# Altium PCB RGV_Control_1V21_unpoly.PcbDoc (part 1 of 5) (continued)
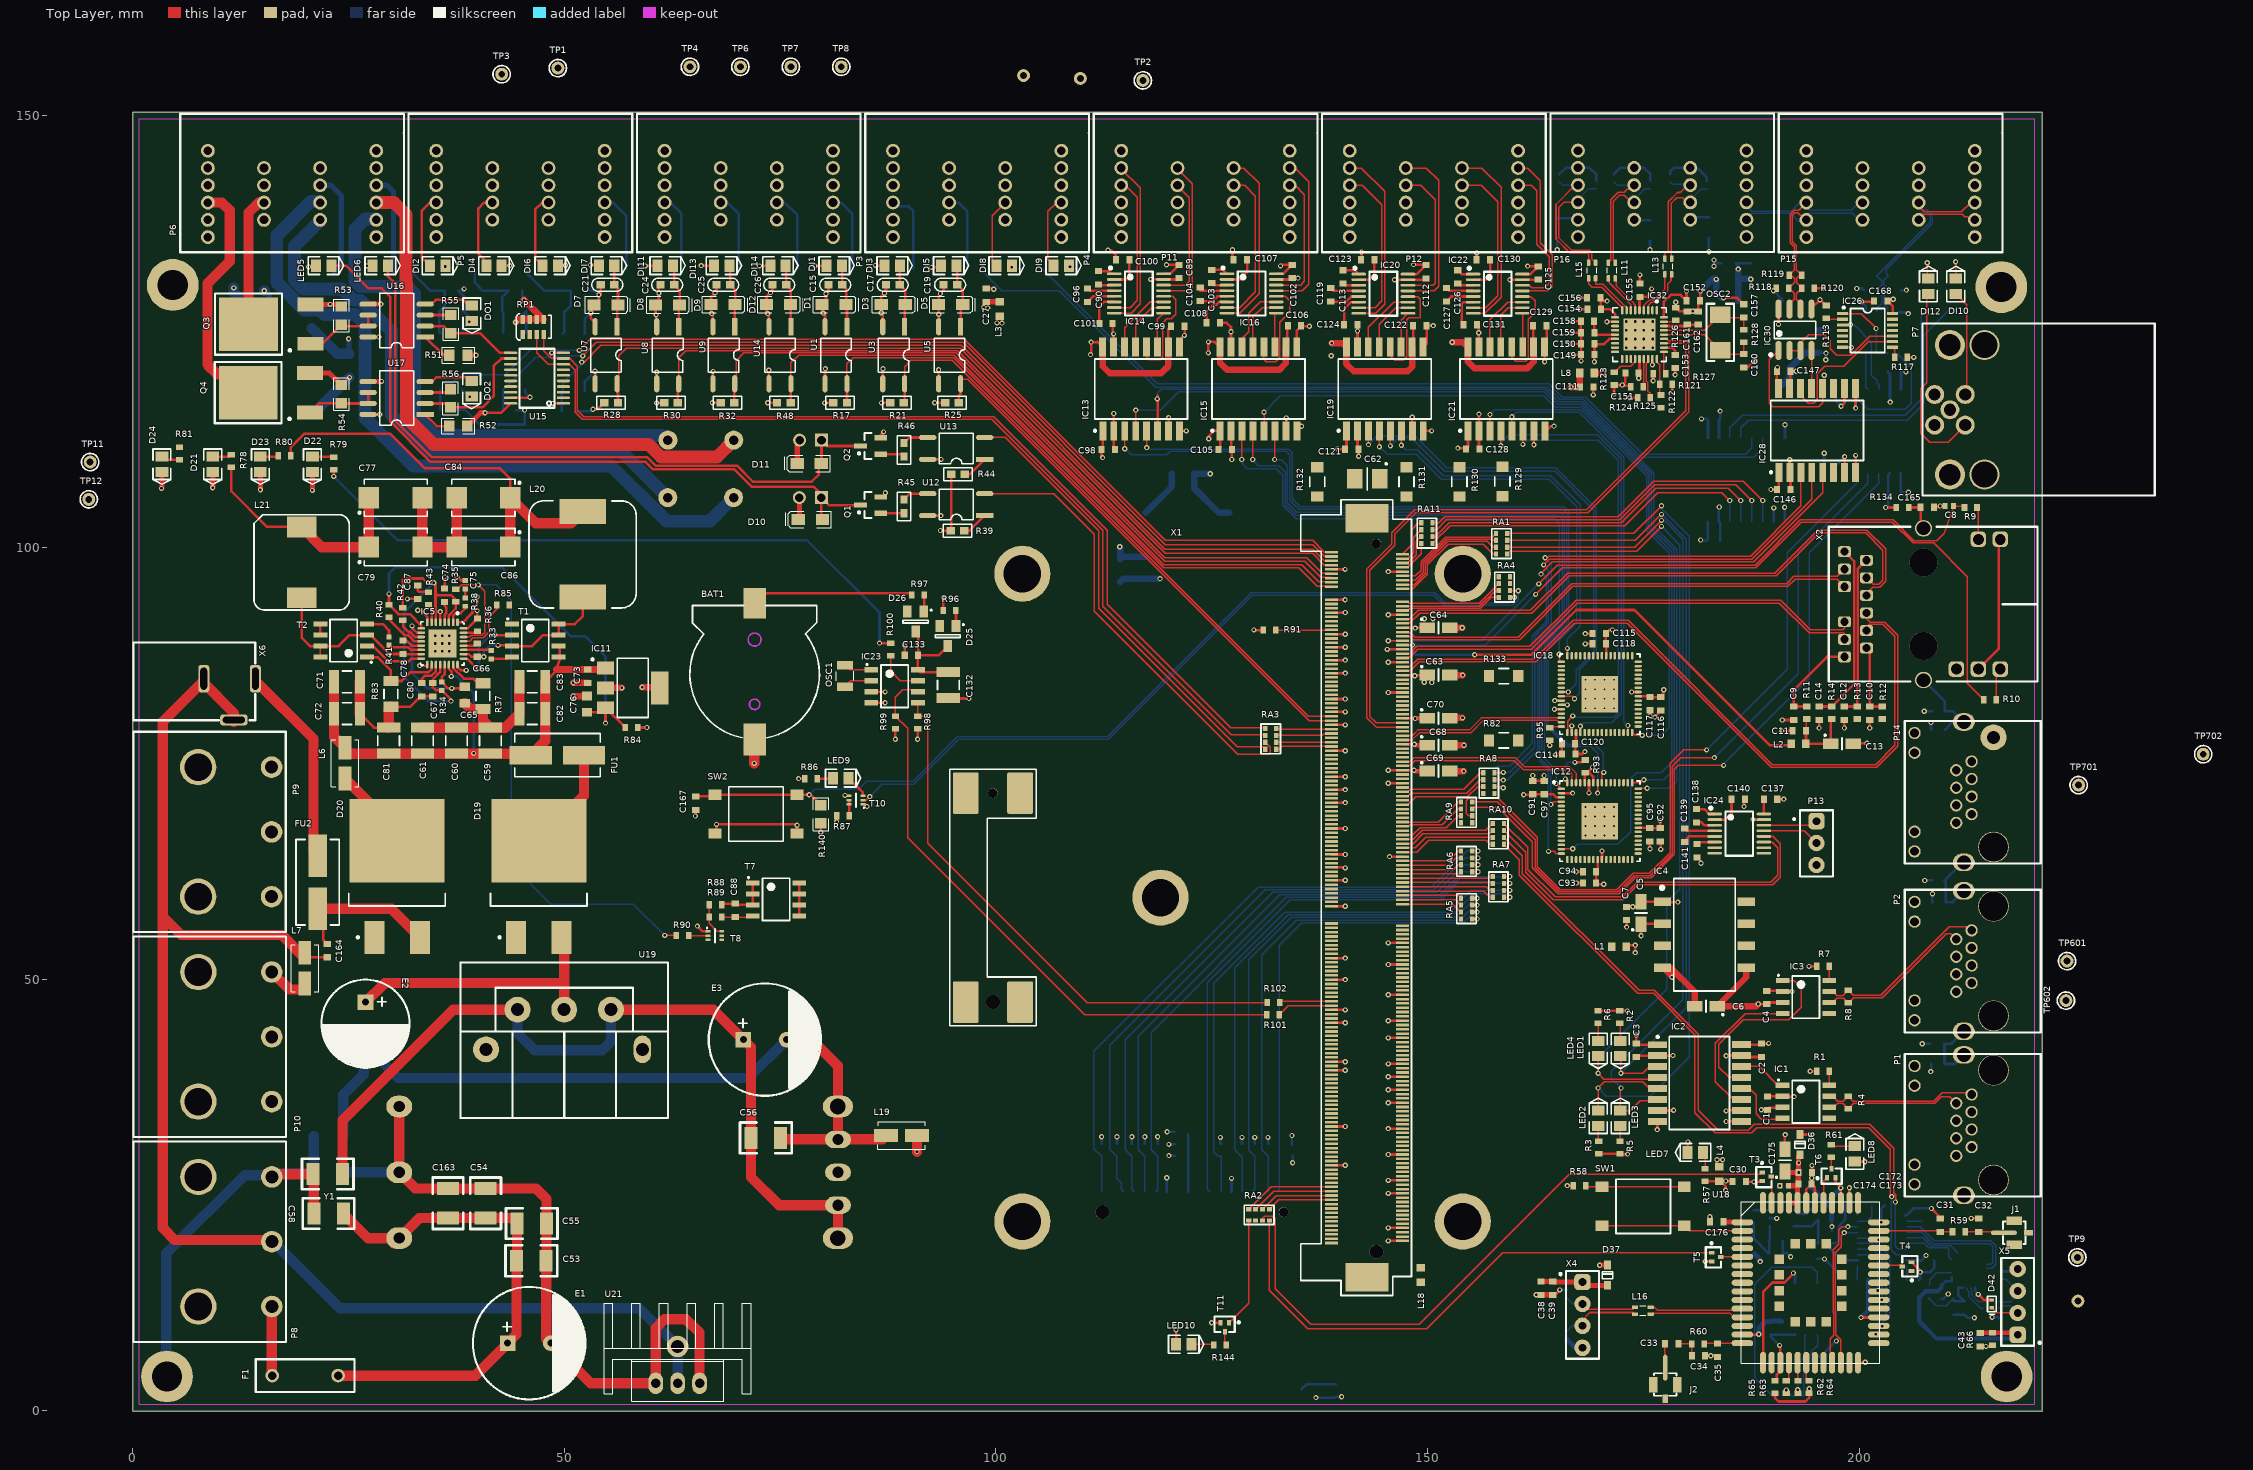
[diagram p0: Top Layer view]
## Components (designator, comment, footprint, x,y, rotation, side; value= is the part's Value field where it differs from the comment) (continued)
IC16 "MAX3232EUE" LC-TSSOP-16 129.605,129.398 r270 top
IC17 "B0505XT-1W" MORNSUN_B0305XT-1W_SMD 122.175,100.2 r0 bottom
IC18 "=\"Manucfacturer Part NO.\"" QFN50P900X900X90_HS-65N 169.926,83.007 r90 top locked
IC19 "ADuM1402ARWZ" T_AD_ADuM1300ARW 145.034,118.339 r90 top locked
IC20 "MAX3232EUE" LC-TSSOP-16 144.865,129.373 r270 top locked
IC21 "ADuM1402ARWZ" T_AD_ADuM1300ARW 159.106,118.339 r90 top locked
IC22 "MAX3232EUE" LC-TSSOP-16 158.115,129.373 r270 top locked
IC23 "M41T0M6" SOIC127P600X173-8N 88.265,83.922 r0 top
IC24 "MAX3232EUE" LC-TSSOP-16 186.08,66.853 r270 top
IC25 "ADuM1301ARW" T_AD_ADuM1300ARW 200.425,113.525 r90 bottom
IC26 "=\"Manufacturer part No.\"" T_ST_M74HC02TTR 200.939,125.12 r0 top
IC27 "ADM3485EARZ" LC-SOIC-8_150mil 202.63,124.8 r180 bottom
IC28 "ADuM1301ARW" T_AD_ADuM1300ARW 195.097,113.538 r90 top
IC30 "ADM3485EARZ" LC-SOIC-8_150mil 192.532,125.197 r0 top
IC31 "B0505XT-1W" MORNSUN_B0305XT-1W_SMD 187.223,123.647 r270 bottom
IC32 "USB2514B" T_SMSC_USB2514B-AEZC 174.525,124.636 r270 top locked
J1 "RF_ANT" IPEX2#1 217.031,20.634 r180 top
J2 "GNSS_ANT" IPEX2#2 177.5,3.95 r90 top
L1 "220R@100MHz" INDC1608X95N 172.125,53.75 r0 top
L2 "220R@100MHz" INDC1608X95N 192.964,77.267 r0 top
L3 "220R@100MHz" INDC1608X95N 100.452,127.585 r90 top
L4 "220R@100MHz" INDC1608X95N 183.769,27.456 r270 top
L5 "90R@100MHz" T_Murata_DLW21SN900SQ2 215.189,12.268 r0 bottom
L6 "36R@100MHz" T_Laird_35F0121-0SR-10 24.638,75.006 r90 top
L7 "36R@100MHz" T_Laird_35F0121-0SR-10 19.975,51.275 r270 top
L8 "220R@100MHz" INDC1608X95N 168.453,120.193 r180 top
L9 "220R@100MHz" INDC1608X95N 121.475,32.325 r180 bottom
L10 "220R@100MHz" INDC1608X95N 184.841,132.882 r0 bottom
L11 "90R@100MHz" T_Murata_DLW21SN900SQ2 171.323,132.055 r90 top
L13 "90R@100MHz" T_Murata_DLW21SN900SQ2 177.85,132.525 r90 top
L15 "90R@100MHz" T_Murata_DLW21SN900SQ2 169.037,132.055 r90 top
L16 "90R@100MHz" T_Murata_DLW21SN900SQ2 174.904,11.608 r0 top
L17 "220R@100MHz" INDC1608X95N 187.876,18.999 r270 bottom
L18 "220R@100MHz" INDC1608X95N 149.175,15.725 r270 top
L19 "36R@100MHz" T_Laird_35F0121-0SR-10 89.078,31.902 r0 top
L20 "8.2uH" T_INDM120120X80N 52.146,99.187 r0 top
L21 "4.7uH" T_INDM102102X45N 19.609,98.273 r0 top
LED1 "LED红" LC-0805_LED_S3 172.3,41.975 r90 top
LED2 "LED绿" LC-0805_LED_S3 169.75,33.9 r270 top
LED3 "LED红" LC-0805_LED_S3 172.3,33.9 r270 top
LED4 "LED绿" LC-0805_LED_S3 169.75,41.975 r90 top
LED5 "LED绿" LC-0805_LED_S3 22.149,132.625 r180 top
LED6 "LED绿" LC-0805_LED_S3 28.72,132.625 r180 top
LED7 "LED红" LC-0805_LED_S3 181,29.942 r0 top
LED8 "LED红" LC-0805_LED_S3 199.466,29.769 r270 top
LED9 "LS T670-K1L2-1" LC-0805_LED_S3 82.025,73.277 r180 top
LED10 "LED红_0805" LC-0805_LED_S3 121.76,7.725 r180 top
OSC1 "CC4V-T1A" SMD-3215-2P 82.525,85.115 r90 top value=32.768KHz
OSC2 "HEX24-24000MHz-18-50R-F-H2-T2-W2-T" SMD-5032_2P 183.871,124.892 r90 top value="24.0 MHz"
P1 "2-406549-4" RJ45卡口朝上#1 210.947,33.096 r90 top locked
P2 "2-406549-4" RJ45卡口朝上#1 210.947,52.095 r90 top locked
P3 "1473567-4" 147-4 71.386,140.929 r90 top locked
P4 "1473567-4" 147-4 97.829,140.929 r90 top locked
P5 "1473567-4" 147-4 44.943,140.929 r90 top locked
P6 "1473567-4" 147-4 18.5,140.925 r90 top locked
P7 "3-2172091-2" M12弯角座 211.587,115.934 r90 top locked
P8 "3-2229803-1" 3-2229803-1 16.15,27.1 r270 top locked
P9 "3-2229803-1" 3-2229803-1 16.125,74.55 r270 top locked
P10 "3-2229803-1" 3-2229803-1 16.145,50.826 r270 top locked
P11 "1473567-4" 147-4 124.271,140.929 r90 top locked
P12 "1473567-4" 147-4 150.714,140.925 r90 top locked
P13 "" 2.54*3P 195.021,64.491 r180 top locked
P14 "2-406549-4" RJ45卡口朝上#2 210.947,71.653 r90 top locked
P15 "1473567-4" 147-4 203.6,140.925 r90 top locked
P16 "1473567-4" 147-4 177.157,140.948 r90 top locked
Q1 "8050" SOT-23M 85.496,104.902 r0 top
Q2 "8050" SOT-23M 85.496,111.735 r0 top
Q3 "STD10PF06" DPAK 17.043,125.857 r0 top
Q4 "STD10PF06" DPAK 17.001,117.922 r0 top
R1 "0R" T_RESC0603X30N#1 195.783,39.346 r180 top
R2 "120R" T_RESC0603X30N#1 172.25,45.6 r90 top value=100KR
R3 "120R" T_RESC0603X30N#1 169.8,30.525 r270 top value=100KR
R4 "120R" T_RESC0603X30N#1 198.704,35.738 r270 top
R5 "120R" T_RESC0603X30N#1 172.275,30.5 r90 top value=100KR
R6 "120R" T_RESC0603X30N#1 169.725,45.6 r270 top value=100KR
R7 "0R" T_RESC0603X30N#1 195.783,51.487 r180 top
R8 "120R" T_RESC0603X30N#1 198.704,47.994 r270 top
R9 "150R" t_RESC0603X30N 212.877,104.623 r0 top
R10 "150R" t_RESC0603X30N 215.099,82.372 r0 top
R11 "0R" T_RESC0603X30N#1 193.878,80.853 r90 top
R12 "0R" T_RESC0603X30N#1 202.641,80.853 r90 top
R13 "0R" T_RESC0603X30N#1 199.72,80.853 r90 top
R14 "0R" T_RESC0603X30N#1 196.799,80.853 r90 top
R15 "3K" 2010 81.175,132.3 r90 bottom
R16 "3K" 2010 34.825,132.3 r90 bottom
R17 "4.7K" 0603R 81.966,116.738 r270 top
R18 "4.7K" 0603R 36.45,115.937 r270 bottom
R19 "3K" 2010 88.25,132.3 r90 bottom
R20 "3K" 2010 41.675,132.3 r90 bottom
R21 "4.7K" 0603R 88.544,116.738 r270 top
R22 "4.7K" 0603R 43.69,115.886 r270 bottom
R23 "3K" 2010 94.5,132.3 r90 bottom
R24 "3K" 2010 47.9,132.3 r90 bottom
R25 "4.7K" 0603R 94.92,116.738 r270 top
R26 "4.7K" 0603R 50.533,115.786 r270 bottom
R27 "3K" 2010 55,132.3 r90 bottom
R28 "4.7K" 0603R 55.448,116.738 r270 top
R29 "3K" 2010 61.375,132.3 r90 bottom
R30 "4.7K" 0603R 62.382,116.738 r270 top
R31 "3K" 2010 68.025,132.3 r90 bottom
R32 "4.7K" 0603R 68.91,116.738 r270 top
R33 "4.7R" RESC1005X40N 41.554,87.579 r270 top
R34 "4.7R" RESC1005X40N 35.839,83.922 r90 top
R35 "100K" T_RESC0603X30N#1 37.44,94.412 r270 top value=100KR
R36 "0R" T_RESC0603X30N#1 39.969,91.034 r270 top
R37 "15mR" RESC3316X76N 40.604,82.779 r270 top
R38 "6.2K" RESC1005X40N 38.538,93.66 r270 top value=6.2KR
R39 "4.7K" 0603R 95.555,101.93 r90 top
R40 "0R" T_RESC0603X30N#1 29.718,92.634 r270 top
R41 "4.7R" RESC1005X40N 29.718,89.154 r90 top
R42 "100K" T_RESC0603X30N#1 31.333,92.304 r90 top value=100KR
R43 "10K" T_RESC0603X30N#2 -8.623,30.136 r270 top value=10KR
R44 "4.7K" 0603R 95.6,108.475 r90 top
R45 "4.7K" 0603R 89.357,104.75 r180 top
R46 "4.7K" 0603R 89.357,111.303 r180 top
R47 "3K" 2010 74.8,132.3 r90 bottom
R48 "4.7K" 0603R 75.438,116.738 r270 top
R49 "3K" 1206 21.875,132.025 r180 bottom
R50 "3K" 1206 28.75,132.025 r180 bottom
R51 "430R" 0805R 37.77,122.25 r180 top
R52 "430R" 0805R 37.744,114.046 r180 top
R53 "10K" 0805R 24.206,126.848 r270 top
R54 "10K" 0805R 24.206,117.754 r270 top
R55 "430R" 0805R 36.881,125.857 r270 top
R56 "430R" 0805R 36.83,117.272 r270 top
R57 "120R" T_RESC0603X30N#1 182.118,27.33 r90 top
R58 "10K" T_RESC0603X30N#1 167.564,26.086 r0 top value=10KR
R59 "0R" T_RESC0603X30N#1 211.5,20.75 r0 top
R60 "0R" T_RESC0603X30N#1 181.319,7.756 r0 top
R61 "1K" T_RESC0603X30N#1 196.723,30.083 r90 top
R62 "22R" T_RESC0603X30N#1 192.879,2.769 r90 top
R63 "22R" T_RESC0603X30N#1 191.524,2.769 r90 top
R64 "22R" T_RESC0603X30N#1 194.158,2.769 r90 top
R65 "10K" T_RESC0603X30N#1 190.221,2.769 r270 top value=10KR
R66 "47K" T_RESC0603X30N#1 215.392,8.316 r270 top value=47KR
R67 "51K" T_RESC0603X30N#1 200.3,15.15 r180 bottom
R68 "51K" T_RESC0603X30N#1 206.15,15.15 r0 bottom
R69 "51K" T_RESC0603X30N#1 202.159,23.79 r180 bottom
R70 "51K" T_RESC0603X30N#1 207.264,22.758 r90 bottom
R71 "100K" T_RESC0603X30N#1 199.085,23.866 r0 bottom value=100KR
R72 "4.7K" t_RESC0603X30N 208.197,13.85 r90 bottom value=4.7KR
R74 "0R" T_RESC0603X30N#1 195.92,19.406 r0 bottom
R75 "10K" T_RESC0603X30N#1 187.749,22.504 r90 bottom value=10KR
R76 "34KR" T_RESC0603X30N#1 193.913,22.123 r270 bottom
R77 "63.4KR" T_RESC0603X30N#1 195.909,23.673 r180 bottom
R78 "120R" T_RESC0603X30N#1 11.455,109.982 r90 top
R79 "120R" T_RESC0603X30N#1 23.343,109.703 r90 top
R80 "220R" T_RESC0603X30N#1 17.628,110.592 r180 top
R81 "1K" T_RESC0603X30N#1 5.461,110.871 r270 top
R82 "0R" T_RESC3216X760N 158.801,77.648 r180 top
R83 "15mR" RESC3316X76N 29.936,83.033 r270 top
R84 "10K" T_RESC0603X30N#1 57.81,79.144 r180 top value=10KR
R85 "0R" T_RESC0603X30N#1 42.916,93.32 r180 top
R86 "120R" T_RESC0603X30N#1 78.571,73.226 r180 top
R87 "100K" T_RESC0603X30N#1 82.279,68.933 r180 top value=100KR
R88 "100K" T_RESC0603X30N#1 67.55,58.604 r180 top value=100KR
R89 "100K" T_RESC0603X30N#1 67.513,57.207 r180 top value=100KR
R90 "0R" T_RESC0603X30N#1 63.703,55.049 r180 top
R91 "4.7K" t_RESC0603X30N 131.7,90.425 r0 top value=4.7KR
R93 "4.7K" t_RESC0603X30N 168.25,74.65 r270 top value=4.7KR
R95 "4.7K" t_RESC0603X30N 164.15,78.4 r270 top value=4.7KR
R96 "470R" T_RESC0603X30N#1 94.64,92.685 r180 top
R97 "10R" t_RESC0603X30N 90.957,94.488 r0 top
R98 "1.8K" T_RESC0603X30N#1 90.932,79.731 r270 top value=1.8KR
R99 "1.8K" T_RESC0603X30N#1 88.367,79.731 r270 top value=1.8KR
R100 "100K" t_RESC0603X30N 87.808,88.189 r90 top value=100KR
R101 "22R" T_RESC0603X30N#1 132.08,45.872 r180 top
R102 "22R" T_RESC0603X30N#1 132.131,47.295 r180 top
R103 "33K" T_RESC0603X30N#1 117.221,30.201 r90 bottom value=33KR
R104 "68K" T_RESC0603X30N#1 128.5,30.2 r90 bottom value=68KR
R105 "68K" T_RESC0603X30N#1 126.086,30.201 r90 bottom value=68KR
R106 "68K" T_RESC0603X30N#1 118.72,30.201 r90 bottom value=68KR
R107 "68K" T_RESC0603X30N#1 115.748,30.201 r90 bottom value=68KR
R108 "68K" T_RESC0603X30N#1 114.021,30.201 r90 bottom value=68KR
R109 "68K" T_RESC0603X30N#1 112.243,30.201 r90 bottom value=68KR
R110 "68K" T_RESC0603X30N#1 131.521,30.201 r90 bottom value=68KR
R111 "68K" T_RESC0603X30N#1 129.972,30.201 r90 bottom value=68KR
R112 "10K" T_RESC0603X30N#1 133.55,30.85 r0 bottom value=10KR
R113 "100K" T_RESC0603X30N#1 196.164,127.279 r90 top value=100KR
R114 "NA" T_RESC0603X30N#1 204.103,129.794 r0 bottom
R115 "NA" T_RESC0603X30N#1 202.616,131.445 r0 bottom
R116 "NA" T_RESC0603X30N#1 201.205,129.794 r0 bottom
R117 "100K" T_RESC0603X30N#1 204.825,122 r0 top value=100KR
R118 "NA" T_RESC0603X30N#1 191.098,130.023 r180 top
R119 "NA" T_RESC0603X30N#1 192.583,131.521 r180 top
R120 "NA" T_RESC0603X30N#1 194.056,130.023 r180 top
R121 "100K" T_RESC0603X30N#1 177.6,118.875 r180 top value=100KR
R122 "22R" T_RESC0603X30N#1 177.013,116.916 r90 top
R123 "100K" T_RESC0603X30N#1 171.602,119.532 r270 top value=100KR
R124 "100K" T_RESC0603X30N#1 174.25,118.6 r180 top value=100KR
R125 "100K" T_RESC0603X30N#1 175.031,117.323 r180 top value=100KR
R126 "12K" T_RESC0603X30N#1 178.74,127.025 r270 top value=12KR
R127 "100K" T_RESC0603X30N#1 176.825,120.125 r0 top value=100KR
R128 "1MR" T_RESC0603X30N#1 186.601,124.485 r90 top
R129 "0R" T_RESC3216X760N 158.648,107.62 r270 top
R130 "0R" T_RESC3216X760N 153.67,107.594 r270 top
R131 "0R" T_RESC3216X760N 147.549,107.594 r270 top
R132 "0R" T_RESC3216X760N 137.211,107.594 r270 top
R133 "0R" T_RESC3216X760N 158.801,85.1 r180 top
R134 "100R" T_RESC0603X30N#1 204.978,104.623 r0 top
R135 "100R" T_RESC0603X30N#1 139.37,2.373 r90 bottom
R136 "2K_5%_2010" 2010 100.975,132.3 r270 bottom value=2KR
R137 "2K_5%_2010" 2010 107.575,132.3 r270 bottom value=2KR
R138 "2K_5%_2010" 2010 211.15,129.85 r0 bottom value=2KR
R139 "2K_5%_2010" 2010 207.856,129.775 r0 bottom value=2KR
R140 "10K" 0805R 79.725,69.1 r270 top value=10KR
R141 "100R" T_RESC0603X30N#1 209.162,81.025 r0 bottom
R142 "100R" T_RESC0603X30N#1 208.89,42.534 r0 bottom
R143 "100R" T_RESC0603X30N#1 209.118,61.442 r0 bottom
R144 "1K_0603" T_RESC0603X30N#1 125.964,7.649 r180 top value=1K
RA1 "22R" T_Resistor_Array_X4 157.9,101.625 r0 top
RA2 "22R" T_Resistor_Array_X4 131.675,23.35 r270 top
RA3 "22R" T_Resistor_Array_X4 132.475,76.625 r180 top
RA4 "22R" T_Resistor_Array_X4 158.239,96.6 r0 top
RA5 "22R" T_Resistor_Array_X4 153.848,59.372 r0 top
RA6 "22R" T_Resistor_Array_X4 153.848,64.846 r0 top
RA7 "22R" T_Resistor_Array_X4 157.531,61.887 r0 top
RA8 "22R" T_Resistor_Array_X4 156.425,73.9 r0 top
RA9 "22R" T_Resistor_Array_X4 153.848,70.523 r0 top
RA10 "22R" T_Resistor_Array_X4 157.531,68.021 r0 top
RA11 "22R_5%_0603*4" T_Resistor_Array_X4 149.25,102.85 r0 top value=22R
RP1 "10K*4" CN4 46.425,125.524 r0 top
SW1 "TD-03XB" T_WMF_TD-03XB 174.955,23.698 r180 top
SW2 "TD-03XB" T_WMF_TD-03XB 72.221,69.119 r180 top
T1 "FDS6982AS" SOIC127P600X173-8N 46.66,89.205 r0 top
T2 "FDS6982AS" SOIC127P600X173-8N 24.475,89.205 r180 top
T3 "DTC043ZEBTL" SOT-416FL 190.15,27.125 r180 top
T4 "DTC043ZEBTL" SOT-416FL 204.619,16.721 r0 top
T5 "DTC043ZEBTL" SOT-416FL 184.305,17.823 r180 top
T6 "DTC043ZEBTL" SOT-416FL 196.731,28.41 r270 top
T7 "DMP2022LSS-13" SOIC127P600X173-8N 74.538,59.239 r0 top
T8 "T-Vishay-SI-1024X-N" SOTFL50P160X60-6N 67.466,55.048 r0 top
T10 "T-Vishay-SI-1024X-N" SOTFL50P160X60-6N 83.795,70.737 r180 top
T11 "DTC043ZEBTL" SOT-416FL 126.517,8.814 r90 top
TP1 "Testpin" T_TP-THT 49.276,155.499 r0 top
TP2 "Testpin" T_TP-THT 117.018,154.076 r0 top
TP3 "Testpin" T_TP-THT 42.774,154.788 r0 top
TP4 "Testpin" T_TP-THT 64.567,155.652 r0 top
TP6 "Testpin" T_TP-THT 70.409,155.652 r0 top
TP7 "Testpin" T_TP-THT 76.251,155.652 r0 top
TP8 "Testpin" T_TP-THT 82.093,155.652 r0 top
TP9 "Testpin" T_TP-THT 225.222,17.788 r0 top
TP10 "Testpin" T_TP-THT 225.298,12.725 r90 bottom
TP11 "Testpin" T_TP-THT -4.877,109.88 r90 top
TP12 "Testpin" T_TP-THT -5.042,105.562 r90 top
TP601 "Testpin" T_TP-THT 224.028,52.095 r90 top
TP602 "Testpin" T_TP-THT 223.901,47.523 r90 top
TP701 "Testpin" T_TP-THT 225.374,72.469 r90 top
TP702 "Testpin" T_TP-THT 239.801,76.048 r90 top
TP1101 "Testpin" T_TP-THT 103.2,154.635 r90 bottom
TP1102 "Testpin" T_TP-THT 109.779,154.305 r90 bottom
U1 "TLP185" SO_PHT-4 81.483,122.25 r180 top
U2 "TLP185" SO_PHT-4 36.932,121.525 r0 bottom
U3 "TLP185" SO_PHT-4 88.163,122.25 r180 top
U4 "TLP185" SO_PHT-4 44.223,121.55 r0 bottom
U5 "TLP185" SO_PHT-4 94.64,122.25 r180 top
U6 "TLP185" SO_PHT-4 51.125,121.45 r0 bottom
U7 "TLP185" SO_PHT-4 54.864,122.25 r180 top
U8 "TLP185" SO_PHT-4 62.001,122.25 r180 top
U9 "TLP185" SO_PHT-4 68.495,122.25 r180 top
U10 "PCN-112D3MHZ-001" CRH-1C 70.891,105.766 r270 bottom
U11 "PCN-112D3MHZ-001" CRH-1C 70.917,112.42 r270 bottom
U12 "TLP185" SO_PHT-4 95.402,104.953 r90 top
U13 "TLP185" SO_PHT-4 95.402,111.455 r90 top
U14 "TLP185" SO_PHT-4 74.989,122.25 r180 top
U15 "SN54AHCT541" TSSOP-20 46.863,119.599 r0 top
U16 "MOCD217-M" HCPL0601 30.607,126.263 r0 top
U17 "MOCD217-M" HCPL0601 30.607,117.297 r0 top
U18 "BC20" BC20 -225.019,-477.529 r0 top locked
U19 "MBR3045PT" TO-3P 50.013,44.171 r180 top
U20 "AVO120-48S12B-6L" AVO120-48S12B-6L 56.312,27.635 r0 bottom locked
U21 "MBR20100CT" TO-220 63.144,5.335 r180 top locked
X1 "CON-JAE-MM70-314-310B1-314-0.5mm" T_JAE_MM70-314-310B1 142.962,59.446 r270 top locked
X2 "L829-1J1T-43" T_BEL_L829-1J1T-43 220.607,102.21 r270 top locked
X3 "NB-IOT-CARD" QFN127P600X500X90_HS-9N 194.437,11.834 r270 bottom
X4 "CON-USB" 2.54*4p 167.919,11.125 r180 top
X5 "CON-USB" 2.54*4p 218.313,12.624 r0 top
X6 "RAPC722X" DC-005 11.259,82.412 r270 top locked
X7 "101-00565-64" "T_ AMPHENOL_101-00565" 134.957,0.025 r180 bottom locked
Y1 "10nF-2KV-10%-1210-X7R" 1210 22.631,27.432 r180 top
Y2 "10nF-2KV-10%-1210-X7R" 1210 22.708,31.801 r180 bottom

## Footprints (in the part's own frame and the unit in brackets; to place one, negate y for a bottom-side part, rotate by r counter-clockwise, add the part's x,y. Pads: shape width x height; smd on the part's side, far side on the other; paste and mask are expansions set on the pad)
2.54*3P [mil]
  rrect50% 75x75 hole 35 paste+0: 1(0,-150)
  round 75 hole 35 paste+0: 2(0,-50) 3(0,50)
  silkscreen extent -75,-200 106,102
2.54*4p [mil]
  rrect50% 75x75 hole 35 paste+0: 1(0,-150)
  round 75 hole 35 paste+0: 2(0,-50) 3(0,50) 4(0,150)
  silkscreen extent -75,-200 105,200
3-2229803-1 [mm] "泰科电源端子座"
  round 2.5 hole 1.5: 1(0,0) 2(7.5,0) 3(15,0)
  round 4.2 hole 3.2: ""(0,-8.5) ""(15,-8.5)
  silkscreen extent -4.1,-16 19.1,1.65
5*13 [mm]
  rect 1.8x1.8 hole 0.8: 1(-2.5,0)
  round 1.8 hole 0.8: 2(2.5,0)
  silkscreen extent -6.51,-6.51 6.51,6.51
147-4 [mm]
  round 1.6 hole 1: 0(-5,9.75) 0(-5,-9.75) 0(5,9.75) 0(5,-9.75) 1(-3,-9.75) 2(-1,-9.75) 3(1,-9.75) 4(3,-9.75) 5(-3,-3.25) 6(-1,-3.25) 7(1,-3.25) 8(3,-3.25) 9(-3,3.25) 10(-1,3.25) 11(1,3.25) 12(3,3.25) 13(-3,9.75) 14(-1,9.75) 15(1,9.75) 16(3,9.75)
  silkscreen extent -6.75,-12.95 9.29,12.95
0603c [mil]
  rect 34x38 smd: 1(0,-31) 2(0,31)
  silkscreen extent -30,-70 30,71
0603R [mil]
  rect 34x38 smd: 1(0,31) 2(0,-31)
  silkscreen extent -30,-65 30,65
0805R [mm]
  rect 1.2x1.3 smd: 1(-1.05,0) 2(1.05,0)
  silkscreen extent -1.9,-0.9 1.9,0.9
1206 [mm] "1206R"
  rect 1.2x1.75 smd: 1(-1.5,0) 2(1.5,0)
  silkscreen extent -0.55,-0.8 0.55,0.8, body extent -1.73,-0.86 1.73,0.86, height 0.6
1210 [mil]
  rect 60x100 smd: 1(-67.5,0) 2(67.5,0)
  silkscreen extent -118,-70 118,70
2010 [mm]
  rect 2.6x1.2 smd: 1(0,2.2) 2(0,-2.2)
  silkscreen extent -1.2,-1.2 1.2,1.2
3216 [mil]
  rect 50x60 smd: 1(0,55) 2(0,-55)
  silkscreen extent -38,-112 38,95
AVO120-48S12B-6L [mm]
  oval 3x2.5 hole 1.3: 1(-25.4,7.62) 2(-25.4,0) 3(-25.4,-7.62)
  oval 3.5x2.5 hole 1.8: 4(25.4,-7.62) 8(25.4,7.62)
  oval 3x2 hole 1.3: 5(25.4,-3.81) 6(25.4,0) 7(25.4,3.81)
  silkscreen extent -28.95,-11.44 28.95,11.48
BC20 [mm] "LCC"
  oval 2.5x0.7 smd mask+0.05: 1(411.454,499.379) 2(411.454,498.379) 3(411.454,497.379) 4(411.454,496.379) 5(411.454,495.379) 6(411.454,494.379) 7(411.454,493.379) 8(411.454,492.379) 9(411.454,491.379) 10(411.454,490.379) 11(411.454,489.379) 12(411.454,488.379) 13(411.454,487.379) 14(411.454,486.379) 15(411.454,485.379) 28(427.254,485.379) 29(427.254,486.379) 30(427.254,487.379) 31(427.254,488.379) 32(427.254,489.379) 33(427.254,490.379) 34(427.254,491.379) 35(427.254,492.379) 36(427.254,493.379) 37(427.254,494.379) 38(427.254,495.379) 39(427.254,496.379) 40(427.254,497.379) 41(427.254,498.379) 42(427.254,499.379)
  oval 0.7x2.5 smd mask+0.05: 16(413.854,483.129) 17(414.854,483.129) 18(415.854,483.129) 19(416.854,483.129) 20(417.854,483.129) 21(418.854,483.129) 22(419.854,483.129) 23(420.854,483.129) 24(421.854,483.129) 25(422.854,483.129) 26(423.854,483.129) 27(424.854,483.129) 43(424.854,501.629) 44(423.854,501.629) 45(422.854,501.629) 46(421.854,501.629) 47(420.854,501.629) 48(419.854,501.629) 49(418.854,501.629) 50(417.854,501.629) 51(416.854,501.629) 52(415.854,501.629) 53(414.854,501.629) 54(413.854,501.629)
  rect 1.1x1.1 smd mask+0.05: 55(415.754,495.079) 56(415.754,493.279) 57(415.754,491.479) 58(415.754,489.679) 59(417.554,487.879) 60(419.354,487.879) 61(421.154,487.879) 62(422.954,489.679) 63(422.954,491.479) 64(422.954,493.279) 65(422.954,495.079) 66(421.154,496.879) 67(419.354,496.879) 68(417.554,496.879)
  silkscreen extent 411.35,483.03 427.35,501.73
CAPC0402 [mm] "CAPC1005X60N"
  rect 0.58x0.66 smd: 1(-0.49,0) 2(0.49,0)
  body extent -0.55,-0.3 0.55,0.3, height 0.5
CAPC1005X60N [mm]
  rect 0.58x0.66 smd: 1(-0.49,0) 2(0.49,0)
  body extent -0.55,-0.3 0.55,0.3, height 0.5
CAPC3225X160N [mm] "C1210"
  rect 1.15x2.7 smd: 1(-1.5,0) 2(1.5,0)
  silkscreen extent -0.55,-1.25 0.55,1.25, body extent -1.7,-1.35 1.7,1.35, height 1.9
CAPMP3528X210N [mm]
  rect 1.8x2.25 smd: 1(-1.45,0) 2(1.45,0)
  silkscreen extent -2.26,-1.83 0,1.3, body extent -1.85,-1.5 1.85,1.5, height 1.9
CAPMP7343X310N [mm] "CASE-D_7343"
  rect 2.35x2.45 smd: 1(-3.1,0) 2(3.1,0)
  silkscreen extent -4.3,-2.15 3.65,2.15, body extent -3.8,-2.3 3.8,2.3, height 2.8
CN4 [mil]
  rect 20x40 smd: 1(-47.25,34.09) 2(-15.75,34.09) 3(15.75,34.09) 4(47.25,34.09) 5(47.25,-34.09) 6(15.75,-34.09) 7(-15.75,-34.09) 8(-47.25,-34.09)
  silkscreen extent -77,-59 83,60
CR1220-Z [mm]
  rect 3.54x2.6 smd: 1(-7.9,0)
  rect 3.66x2.6 smd: 2(7.9,0)
  Keep-Out Layer circle w0.203: c-3.67,0 r0.75
  Keep-Out Layer circle w0.203: c3.83,0 r0.6
  silkscreen extent -7.61,-7.5 7.69,7.5
CRH-1C [mm]
  rect 1.5x1.5 hole 1: 1(0,-8.89)
  round 1.5 hole 1: 2(0,-6.35)
  round 2.2 hole 1.1: 3(0,1.27) 4(0,8.89)
  silkscreen extent -1.47,-10.14 3.95,9.86
DC-005 [mil]
  rrect50% 125x50 hole 30 slot 100 at 0 deg: 1(-94,117.5) 2(-94,-117.5)
  rrect50% 50x125 hole 30 slot 100 at 90 deg: 3(94,19.5)
  silkscreen extent -259,-437 96,118
DPAK [mm]
  rect 3x1.6 smd: 1(3.59,-2.285) 3(3.59,2.285)
  rect 6.8x6.2 smd: 4(-3.59,0)
  silkscreen extent -7.46,-3.55 1.34,3.56
FUSE-1808-3A [mm]
  rect 4.9x2.15 smd: 1(3.075,0) 2(-3.075,0)
  silkscreen extent -4.95,-2.5 4.95,2.5
HCPL0601 [mm]
  rect 2x0.6 smd: 1(3.3,-1.905)
  oval 2x0.6 smd: 2(3.3,-0.635) 3(3.3,0.635) 4(3.3,1.905) 5(-3.3,1.905) 6(-3.3,0.635) 7(-3.3,-0.635) 8(-3.3,-1.905)
  silkscreen extent -2.02,-3.17 1.97,3.17
INDC1608X95N [mm] "0603"
  rect 0.87x1 smd: 1(-0.84,0) 2(0.84,0)
  body extent -0.87,-0.48 0.87,0.48, height 0.6
IPEX2#1 [mm] "天线底座"
  oval 3x0.5 smd: 1(0.311,0)
  rect 1.8x1 smd: 2(-0.889,1.4) 3(-0.889,-1.4)
  rect 1x0.6 smd: 4(-2.54,0)
  silkscreen extent -2.19,-1.3 0.41,1.3
IPEX2#2 [mm] "天线底座"
  oval 3x0.5 smd: 1(1.065,0)
  rect 1.8x1 smd: 2(-0.889,1.4) 3(-0.889,-1.4)
  rect 1x0.6 smd: 4(-2.54,0)
  silkscreen extent -2.19,-1.3 0.41,1.3
LC-0805_LED_S3 [mm]
  rect 1.16x1.47 smd: A(0.89,0) K(-0.89,0)
  silkscreen extent -2.31,-1.04 1.77,1.03, body extent -1.01,-0.62 1.01,0.62, height 1.1
LC-QFN-24_4x4x05P [mm] "CP2105,"
  rect 2.68x2.68 smd mask+0.051: 0(0,0)
  oval 0.28x0.7 smd mask+0.051: 1(-1.25,-2) 2(-0.75,-2) 3(-0.25,-2) 4(0.25,-2) 5(0.75,-2) 6(1.25,-2) 13(1.25,2) 14(0.75,2) 15(0.25,2) 16(-0.25,2) 17(-0.75,2) 18(-1.25,2)
  oval 0.7x0.28 smd mask+0.051: 7(2,-1.25) 8(2,-0.75) 9(2,-0.25) 10(2,0.25) 11(2,0.75) 12(2,1.25) 19(-2,1.25) 20(-2,0.75) 21(-2,0.25) 22(-2,-0.25) 23(-2,-0.75) 24(-2,-1.25)
  silkscreen extent -2.15,-2.72 2.15,2.15
LC-SOD-323 [mm]
  rect 1x0.83 smd: 1(1.18,0) 2(-1.18,0)
  silkscreen extent -0.4,-0.6 0.4,0.6, body extent -1.35,-0.63 1.35,0.62, height 1.1
LC-SOD-923 [mm]
  rect 0.4x0.5 smd: 1(0.45,0) 2(-0.45,0)
  silkscreen extent -1.2,-0.5 0.9,0.5, body extent -0.53,-0.33 0.52,0.32, height 0.43
LC-SOIC-8_150mil [mm] "ADI-ADM3485EARZ"
  oval 0.7x2.2 smd: 1(-1.905,-2.4) 2(-0.635,-2.4) 3(0.635,-2.4) 4(1.905,-2.4) 5(1.905,2.4) 6(0.635,2.4) 7(-0.635,2.4) 8(-1.905,2.4)
  silkscreen extent -2.95,-3.05 2.4,1
LC-SOT-23-5 [mm] "SGM2019"
  rect 1.1x0.6 smd: 1(1.4,-0.95) 2(1.4,0) 3(1.4,0.95) 4(-1.4,0.95) 5(-1.4,-0.95)
  silkscreen extent -0.5,-1.87 1.62,1.4
LC-TSSOP-16 [mm] "MAXIM-MAX3232EUE+"
  oval 0.32x1.7 smd: 1(-2.275,-2.85) 2(-1.625,-2.85) 3(-0.975,-2.85) 4(-0.325,-2.85) 5(0.325,-2.85) 6(0.975,-2.85) 7(1.625,-2.85) 8(2.275,-2.85) 9(2.275,2.85) 10(1.625,2.85) 11(0.975,2.85) 12(0.325,2.85) 13(-0.325,2.85) 14(-0.975,2.85) 15(-1.625,2.85) 16(-2.275,2.85)
  silkscreen extent -3.1,-3.45 2.55,1.6
LC-TSSOP-20 [mm] "6.6x6.6xP0.65-20N"
  oval 0.35x1.5 smd: 1(-2.925,-2.85) 2(-2.275,-2.85) 3(-1.625,-2.85) 4(-0.975,-2.85) 5(-0.325,-2.85) 6(0.325,-2.85) 7(0.975,-2.85) 8(1.625,-2.85) 9(2.275,-2.85) 10(2.925,-2.85) 11(2.925,2.85) 12(2.275,2.85) 13(1.625,2.85) 14(0.975,2.85) 15(0.325,2.85) 16(-0.325,2.85) 17(-0.975,2.85) 18(-1.625,2.85) 19(-2.275,2.85) 20(-2.925,2.85)
  silkscreen extent -3.75,-3.25 3.1,1.8
M12弯角座 [mm]
  round 2.2 hole 1.4: 1(-1.77,2.885) 2(1.77,2.885) 3(1.77,-0.655) 4(-1.77,-0.655) 5(0,1.115)
  round 3.5 hole 3: ""(-7.5,-2.885) ""(7.5,-2.885)
  round 3.5 hole 2.5: ""(-7.5,1.115) ""(7.5,1.115)
  silkscreen extent -9.91,-22.6 10,4.29
MORNSUN_B0305XT-1W_SMD [mm] "MORNSUN Isolated DC/DC converter"
  rect 2x1 smd: 1(-4.85,3.81) 2(-4.85,1.27) 3(-4.85,-1.27) 4(-4.85,-3.81) 5(4.85,-3.81) 6(4.85,-1.27) 7(4.85,1.27) 8(4.85,3.81)
  silkscreen extent -5.03,-6.51 3.56,6.51, body extent -3.85,-6.35 3.85,6.35, height 6.6
QFN50P500X500X100-33N [mm] "QFN-32 5x5"
  oval 0.9x0.3 smd: 1(-2.45,1.75) 2(-2.45,1.25) 3(-2.45,0.75) 4(-2.45,0.25) 5(-2.45,-0.25) 6(-2.45,-0.75) 7(-2.45,-1.25) 8(-2.45,-1.75) 17(2.45,-1.75) 18(2.45,-1.25) 19(2.45,-0.75) 20(2.45,-0.25) 21(2.45,0.25) 22(2.45,0.75) 23(2.45,1.25) 24(2.45,1.75)
  oval 0.3x0.9 smd: 9(-1.75,-2.45) 10(-1.25,-2.45) 11(-0.75,-2.45) 12(-0.25,-2.45) 13(0.25,-2.45) 14(0.75,-2.45) 15(1.25,-2.45) 16(1.75,-2.45) 25(1.75,2.45) 26(1.25,2.45) 27(0.75,2.45) 28(0.25,2.45) 29(-0.25,2.45) 30(-0.75,2.45) 31(-1.25,2.45) 32(-1.75,2.45)
  rect 3.25x3.25 smd paste-0.595: 33(0,0)
  silkscreen extent -3.62,-2.5 2.5,2.5, body extent -2.58,-2.58 2.58,2.58, height 1
QFN50P900X900X90_HS-65N [mm] "QFN, 64-Leads, Body 9.00x9.00mm, Pitch 0.50mm, Thermal Pad 4.25x4.25mm, IPC Medium Density"
  oval 0.85x0.3 smd: 1(-4.45,3.75) 2(-4.45,3.25) 3(-4.45,2.75) 4(-4.45,2.25) 5(-4.45,1.75) 6(-4.45,1.25) 7(-4.45,0.75) 8(-4.45,0.25) 9(-4.45,-0.25) 10(-4.45,-0.75) 11(-4.45,-1.25) 12(-4.45,-1.75) 13(-4.45,-2.25) 14(-4.45,-2.75) 15(-4.45,-3.25) 16(-4.45,-3.75) 33(4.45,-3.75) 34(4.45,-3.25) 35(4.45,-2.75) 36(4.45,-2.25) 37(4.45,-1.75) 38(4.45,-1.25) 39(4.45,-0.75) 40(4.45,-0.25) 41(4.45,0.25) 42(4.45,0.75) 43(4.45,1.25) 44(4.45,1.75) 45(4.45,2.25) 46(4.45,2.75) 47(4.45,3.25) 48(4.45,3.75)
  oval 0.3x0.85 smd: 17(-3.75,-4.45) 18(-3.25,-4.45) 19(-2.75,-4.45) 20(-2.25,-4.45) 21(-1.75,-4.45) 22(-1.25,-4.45) 23(-0.75,-4.45) 24(-0.25,-4.45) 25(0.25,-4.45) 26(0.75,-4.45) 27(1.25,-4.45) 28(1.75,-4.45) 29(2.25,-4.45) 30(2.75,-4.45) 31(3.25,-4.45) 32(3.75,-4.45) 49(3.75,4.45) 50(3.25,4.45) 51(2.75,4.45) 52(2.25,4.45) 53(1.75,4.45) 54(1.25,4.45) 55(0.75,4.45) 56(0.25,4.45) 57(-0.25,4.45) 58(-0.75,4.45) 59(-1.25,4.45) 60(-1.75,4.45) 61(-2.25,4.45) 62(-2.75,4.45) 63(-3.25,4.45) 64(-3.75,4.45)
  rect 4.25x4.25 smd: 65(0,0)
  silkscreen extent -5.42,-4.65 4.65,4.65, body extent -4.5,-4.5 4.5,4.5, height 0.9
QFN127P600X500X90_HS-9N [mm] "QFN, 8-Leads, Body 6.00x5.00mm, Pitch 1.27mm, Thermal Pad 3.30x3.90mm, IPC Medium Density"
  rect 0.6x0.5 smd: 1(-3,1.905) 2(-3,0.635) 3(-3,-0.635) 4(-3,-1.905) 5(3,-1.905) 6(3,-0.635) 7(3,0.635) 8(3,1.905)
  rect 3.3x3.9 smd: 9(0,0)
  silkscreen extent -3.92,-2.65 3.15,2.65, body extent -3,-2.5 3,2.5, height 0.9
RAD0.3 [mil]
  round 62 hole 39.37: 1(0,150) 2(0,-150)
  silkscreen extent -75,-225 75,225
RB0.3 [mm]
  rect 1.8x1.8 hole 0.8: 1(-2.5,0)
  round 1.8 hole 0.8: 2(2.5,0)
  silkscreen extent -5.1,-5.1 5.1,5.1
RESC1005X40N [mm] "R0402"
  rect 0.57x0.62 smd: 1(-0.48,0) 2(0.48,0)
  body extent -0.53,-0.28 0.53,0.28, height 0.35
RESC3316X76N [mm] "1206R"
  rect 1.2x1.75 smd: 1(-1.5,0) 2(1.5,0)
  silkscreen extent -0.55,-0.8 0.55,0.8, body extent -1.73,-0.86 1.73,0.86, height 0.6
RJ45卡口朝上#1 [mil] "泰科"
  round 56 hole 39.37: 1(140,-80) 2(100,-10) 3(60,-80) 4(20,-10) 5(-20,-80) 6(-60,-10) 7(-100,-80) 8(-140,-10) ""(-270,180) ""(-180,180) ""(180,180) ""(270,180)
  oval 80x100 hole 64.97: S1(320,-45)
  oval 80x100 hole 64.96: S2(-320,-45)
  round 140 hole 133.94: ""(-250,-180) ""(250,-180)
  silkscreen extent -325,-395 325,225, body extent 149,-344 448,129, height 10
RJ45卡口朝上#2 [mil] "泰科"
  round 56 hole 39.37: 1(140,-80) 2(100,-10) 3(60,-80) 4(20,-10) 5(-20,-80) 6(-60,-10) 7(-100,-80) 8(-140,-10) ""(-270,180) ""(-180,180) ""(180,180) ""(270,180)
  oval 80x100 hole 64.97: S1(320,-45)
  oval 80x100 hole 64.96: S2(-320,-45)
  round 140 hole 133.94: ""(-250,-180)
  round 118.11 hole 59.05: ""(250,-180)
  silkscreen extent -325,-395 325,225, body extent 149,-344 448,129, height 10
SMD-3215-2P [mm] "32.768KHZ"
  rect 1x1.8 smd: 1(-1.25,0) 2(1.25,0)
  silkscreen extent -0.53,-1.02 0.53,1.02, body extent -1.85,-0.95 1.85,0.95, height 2.29
SMD-5032_2P [mm] "5.0x3.2mm"
  rect 1.9x2.4 smd: 1(-2.05,0) 2(2.05,0)
  silkscreen extent -3.32,-1.6 3.32,1.6
SO_PHT-4 [mm]
  rect 0.6x2 smd: 1(-1.27,-3.3)
  oval 0.6x2 smd: 2(1.27,-3.3) 3(1.27,3.3) 4(-1.27,3.3)
  silkscreen extent -1.78,-1.98 1.78,1.96
SOIC127P600X173-8N [mm] "SO-8"
  rect 1.6x0.6 smd: 1(-2.7,1.905) 2(-2.7,0.635) 3(-2.7,-0.635) 4(-2.7,-1.905) 5(2.7,-1.905) 6(2.7,-0.635) 7(2.7,0.635) 8(2.7,1.905)
  silkscreen extent -3.29,-2.45 1.58,2.61, body extent -2,-2.47 2,2.47, height 1.75
SOT95P230X110-3N [mm] "SOT-23-3L"
  rect 1.4x1 smd: 1(-1.15,0.95) 2(-1.15,-0.95) 3(1.15,0)
  silkscreen extent -1.4,-1.45 0.18,1.88, body extent -0.7,-1.5 0.7,1.5, height 1.12